# Altium PCB cheriot-test.PcbDoc (part 1 of 10) (continued)
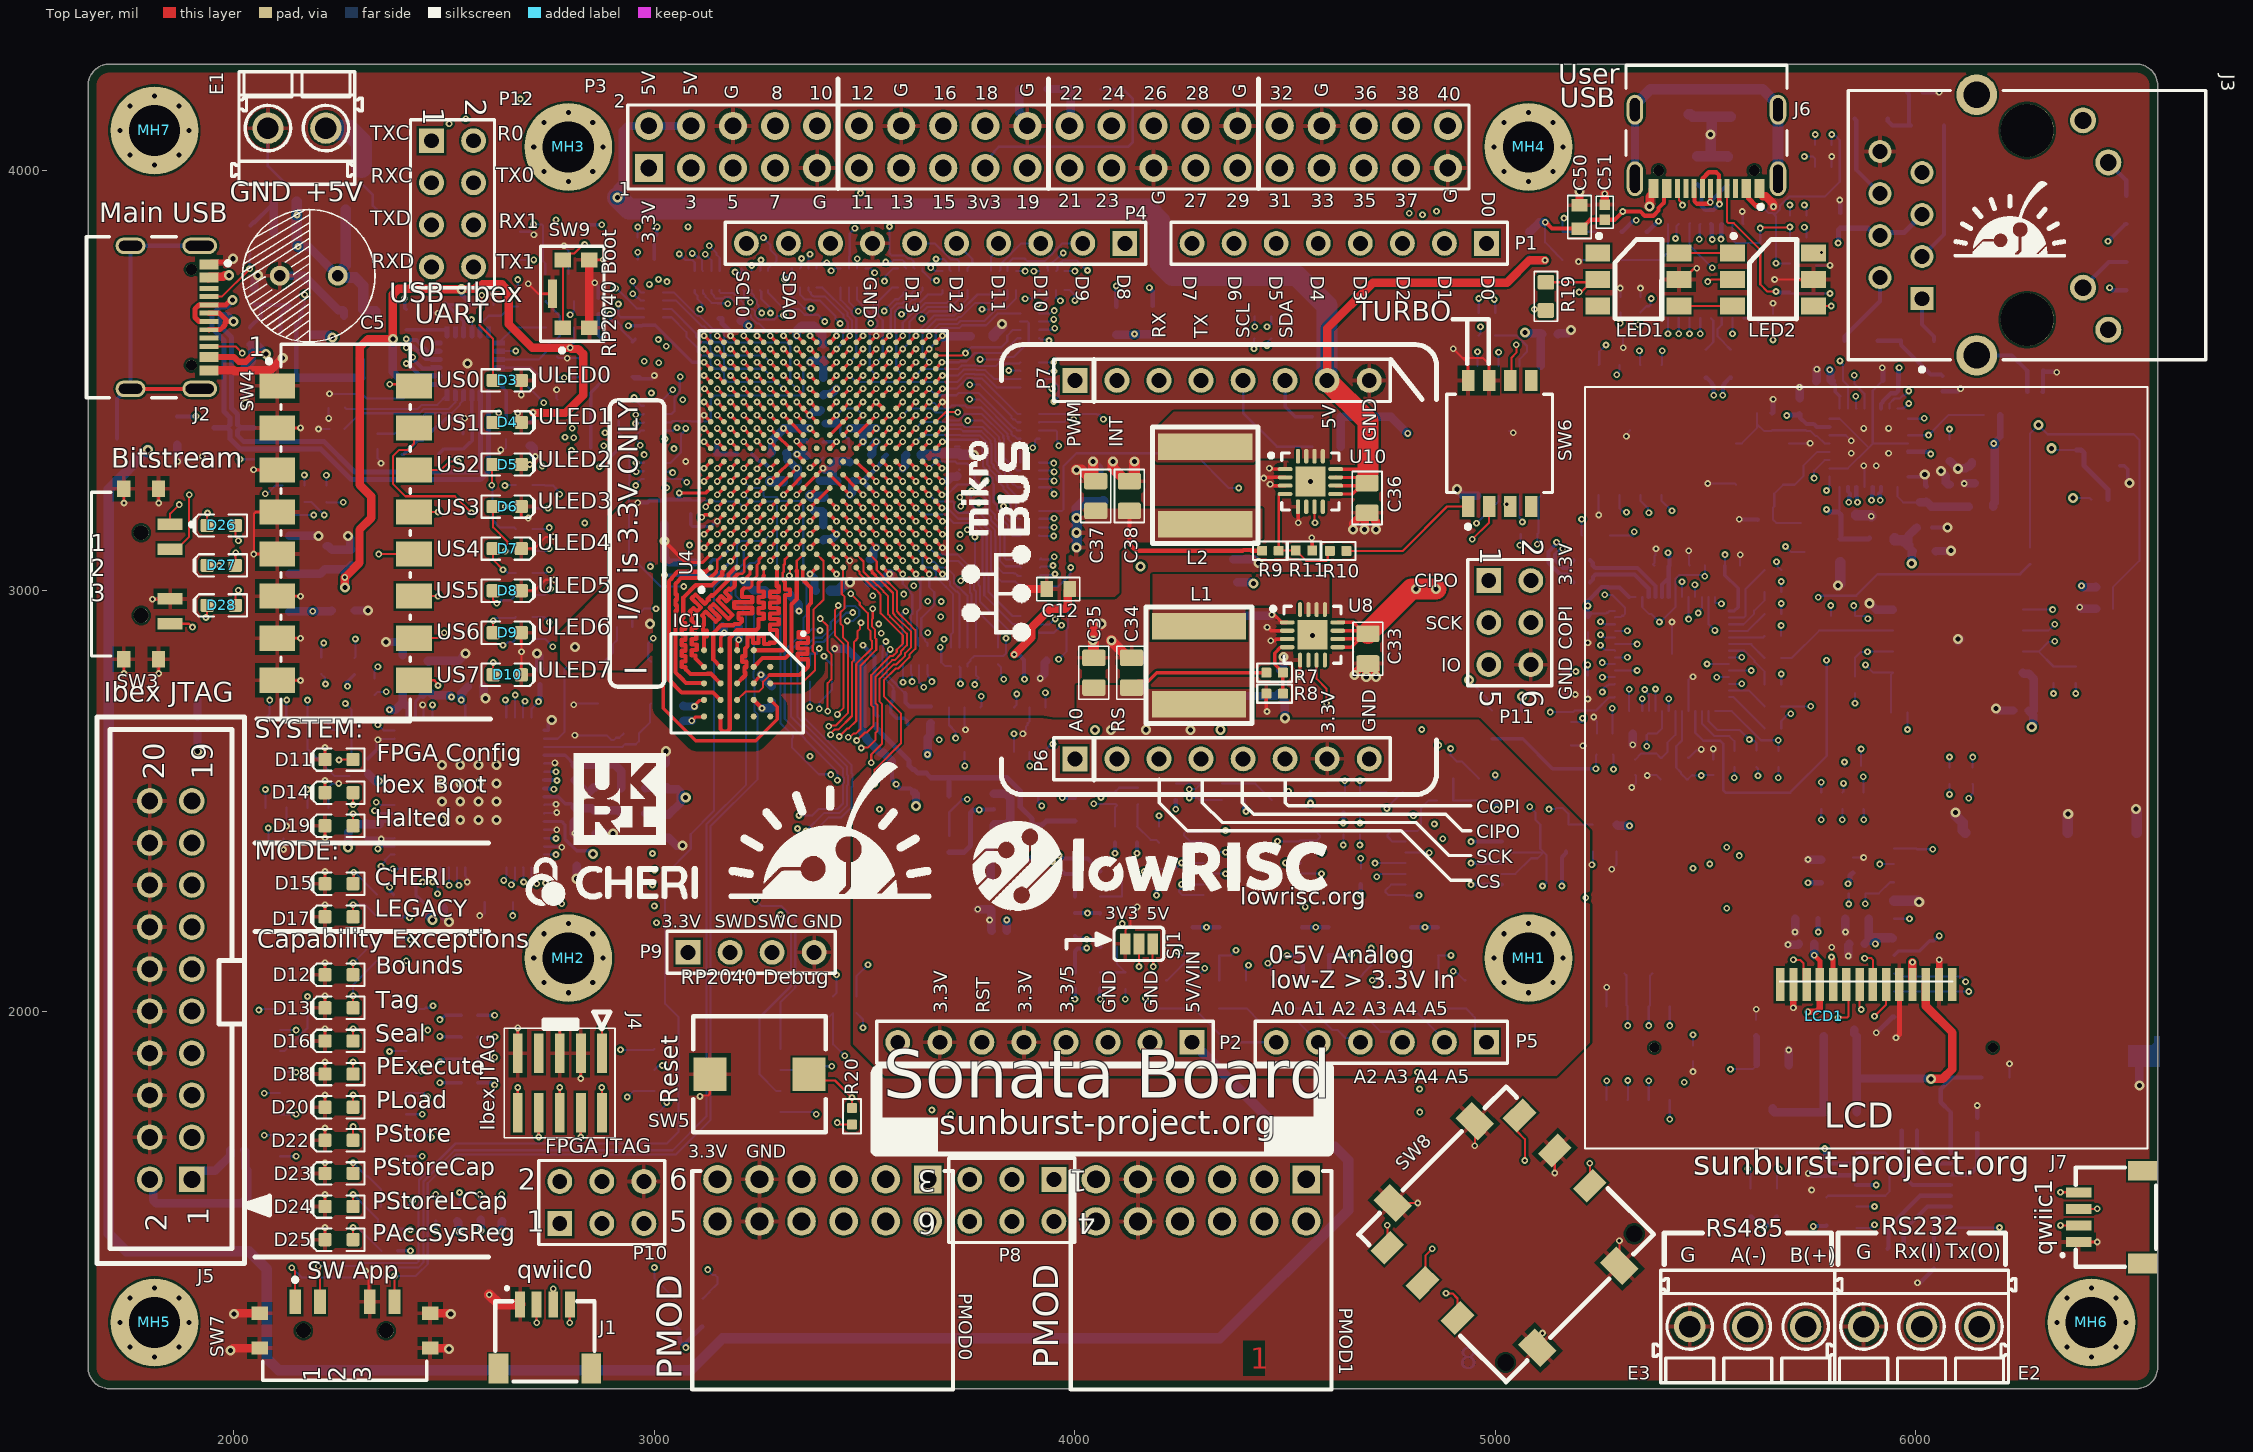
[diagram p0: Top Layer view]
## Classes and differential pairs
net class Power: 3V3_FTDI PWRIN_5V USB_VBUS VCC1V8 VCCINT VCCUSB3V3
net class HYPER_1_Length: HYPERRAM_DQ0 HYPERRAM_DQ1 HYPERRAM_DQ2 HYPERRAM_DQ3 HYPERRAM_DQ4 HYPERRAM_DQ5 HYPERRAM_DQ6 HYPERRAM_DQ7 HYPERRAM_RWDS
differential pair class ETHERNET: ETHMAC_RX ETHMAC_TX
differential pair class USB_DIFF_PAIR: FTDI RP RP2040 USB
component class sb-sonata-fpgaio2: R125 R126 R127 R128 R172 R173 R174 R176 R186 R187 R194
component class sb-sonata-analoginput: C97 C98 C99 C100 C101 C102 C103 C104 C105 C106 C107 L7 R75 R76 R77 R78 R79 R80 R81 R82 R83 R84 R85 R86 R87 R88 R89 R90 R91 R92 R93 R94 R95 R96 R97 R98 R99 R100 R101 R102 R103 R104 R105 R106 R107 R108 R109 R110 R111 R112 R113 R114 R115 R116 R117 U20 U21
differential pair class HR_1: HYPERRAM_CK
differential pair class DIFF90: FTDI USBC_3_D USBC_F_D USRUSB_V
differential pair class ANALOG: XADC_VREF
net class HYPER_200mil_Length: HYPERRAM_CK_N HYPERRAM_CK_P HYPERRAM_DQ0 HYPERRAM_DQ1 HYPERRAM_DQ2 HYPERRAM_DQ3 HYPERRAM_DQ4 HYPERRAM_DQ5 HYPERRAM_DQ6 HYPERRAM_DQ7 HYPERRAM_RWDS
net class HYPER_1_Clks: HYPERRAM_CK_N HYPERRAM_CK_P
component class sb-sonata-fpganaalog: C56 C57 C58 C59 C60 C140 L3 R37 R38 R195 U14 U15 U22 U23
component class sb-sonata-lcd: C112 C113 C114 C115 LCD1 Q2 R130 R131 R132 R133
component class sb-sonata-fpga: C141 P10 R5 R6 R118 R119 R120 R121 R122 R123 R134 SW1 Y2
component class sb-sonata-usbhub: C42 C43 C44 C45 C46 C47 C48 C94 C95 C96 R12 R13 R14 R16 R17 R18 R72 R73 R74 R203 U12 X1
component class sb-sonata-hyperram: C66 C67 C68 IC1
component class sb-sonata-mech: MH1 MH2 MH3 MH4 MH5 MH6 MH7
component class sb-sonata-usbphy: C50 C51 C52 C53 C54 C55 J6 R22 R23 R24 R25 R26 R27 R28 R29 R30 R31 R32 R33 R34 R35 R36 R41 U13
component class sb-sonata-usbrp: C81 C82 C83 C84 C85 C86 C87 C88 C89 C90 C91 C92 C93 D26 D27 D28 P9 R53 R54 R55 R56 R57 R58 R59 R60 R61 R62 R63 R64 R65 R66 R67 R68 R69 R70 R71 R200 R201 R202 SW3 SW9 U11 U18 U19 X2
component class sb-sonata-psu: C30 C31 C32 C33 C34 C35 C36 C37 C38 C39 C40 C41 L1 L2 R7 R8 R9 R10 R11 R15 SW6 U2 U8 U9 U10
component class sb-sonata-fpgapwr: C6 C7 C8 C9 C10 C11 C12 C13 C14 C15 C16 C17 C18 C19 C20 C21 C22 C23 C24 C25 C26 C27 C28 C29 C110 C111 C139
component class sb-sonata-fpgaio1: C80 R45 R46 R47 R48 R49 R50 R51 R52 R168 R169 R170 R171 R175 R177 R178 R179 R180 R181 R182 R183 R184 R185 R188 R189 R190 R191 R212 R213 U4 U17
component class sb-sonata-ethmac: C108 C109 C123 C124 C125 C126 C127 C128 C129 C130 C131 C132 C133 L8 L9 R124 R167 R211 U6 Y3
component class sb-sonata-microsd: C121 C122 R160 R161 R162 R163 R164 R165 R166 SD1
component class sb-sonata-led: D3 D4 D5 D6 D7 D8 D9 D10 D11 D12 D13 D14 D15 D16 D17 D18 D19 D20 D22 D23 D24 D25 LED1 LED2 Q3 R19 R20 R138 R139 R140 R141 R142 R143 R144 R145 R146 R147 R148 R149 R150 R151 R152 R153 R154 R155 R156 R157 R158 R159 R192 R193 R205 R210 SW4 SW5 SW7 SW8
component class sb-sonata-debug: C69 C70 C71 C72 C73 C74 C75 C76 C77 C78 C79 C117 C134 C135 C136 C137 C138 J4 J5 L5 L6 R42 R43 R44 R199 SJ2 SW2 U5 U16 Y1
component class sb-sonata-industriaal: C49 C61 C62 C63 C64 C65 C118 C119 C120 C142 E2 E3 J3 R21 R39 R40 R135 R136 R137 R196 R197 R198 R204 U3 U7
component class sb-sonata-usb: C1 C2 C3 C4 C5 C116 E1 J2 Q1 Q4 Q5 R1 R2 R3 R4 R129 U1
component class sb-sonata-headers1: J1 J7 P1 P2 P3 P4 P5 P6 P7 P8 P11 P12 PMOD0 PMOD1 R206 R207 R208 R209 SJ1
differential pair USRUSB_V: +USRUSB_V_P -USRUSB_V_N
differential pair USBC_F_D: +USBC_F_D_P -USBC_F_D_N
differential pair RP: +RP_P -RP_N
differential pair ETHMAC_TX: +ETHMAC_TX_P -ETHMAC_TX_N
differential pair ETHMAC_RX: +ETHMAC_RX_P -ETHMAC_RX_N
differential pair USB: +USB_P -USB_N
differential pair RP2040: +RP2040_P -RP2040_N
differential pair ANALOG5: +ANALOG5_P -ANALOG5_N
differential pair ANALOG4: +ANALOG4_P -ANALOG4_N
differential pair ANALOG3: +ANALOG3_P -ANALOG3_N
differential pair ANALOG2: +ANALOG2_P -ANALOG2_N
differential pair ANALOG1: +ANALOG1_P -ANALOG1_N
differential pair ANALOG0: +ANALOG0_P -ANALOG0_N
differential pair FTDI: +FTDI_P -FTDI_N
differential pair XADC_VREF: +XADC_VREF_P -XADC_VREF_N
differential pair USBC_3_D: +USBC_3_D_P -USBC_3_D_N
differential pair HYPERRAM_CK: +HYPERRAM_CK_P -HYPERRAM_CK_N

## Components (designator, comment, footprint, x,y, rotation, side; value= is the part's Value field where it differs from the comment)
C1 "2u2" CAPC0603_M 2026.31,3505 r270 bottom
C2 "2u2" CAPC0603_M 2125,3850 r180 bottom
C3 "2u2" CAPC0603_M 2122.44,3925 r180 bottom
C4 "100n" CAPC0402_M 2150,3678.27 r180 bottom
C5 "680uF" Cap_16v_680uF 2247,3749 r180 top
C6 "100n" CAPC0402_M 3322.83,3259.84 r0 bottom
C7 "100n" CAPC0402_M 3295.28,3326.77 r0 bottom
C8 "100n" CAPC0402_M 3453.2,3260.61 r180 bottom
C9 "100n" CAPC0402_M 3533.47,3322.83 r180 bottom
C10 "100n" CAPC0402_M 3393.55,3243.94 r90 bottom
C11 "2u2" CAPC0603_M 3905,2832.93 r0 bottom
C12 "2u2" CAPC0603_M 3960.63,3003.94 r180 top
C13 "2u2" CAPC0603_M 4066.93,3240.16 r90 bottom
C14 "100n" CAPC0402_M 3401.57,3000 r0 bottom
C15 "100n" CAPC0402_M 3114.17,3066.93 r180 bottom
C16 "100n" CAPC0402_M 3464.57,3322.83 r270 bottom
C17 "100n" CAPC0402_M 3401.57,3414.69 r90 bottom
C18 "100n" CAPC0402_M 3086.61,3201.1 r270 bottom
C19 "2u2" CAPC0603_M 3294.96,2992.13 r180 bottom
C20 "2u2" CAPC0603_M 3023.62,3186.93 r270 bottom
C21 "100n" CAPC0402_M 3006.85,3077.13 r0 bottom
C22 "100n" CAPC0402_M 3214.11,3325.05 r0 bottom
C23 "100n" CAPC0402_M 3401.57,3492.13 r90 bottom
C24 "100n" CAPC0402_M 3172.92,3649.09 r180 bottom
C25 "100n" CAPC0402_M 3401.57,3137.8 r90 bottom
C26 "100n" CAPC0402_M 3617.42,3322.83 r0 bottom
C27 "100n" CAPC0402_M 3401.57,3570.87 r270 bottom
C28 "2u2" CAPC0603_M 3728.35,3303.15 r90 bottom
C29 "2u2" CAPC0603_M 3506.81,3044.45 r270 bottom
C30 "2u2" CAPC0603_M 4488.19,2783.46 r90 bottom
C31 "100n" CAPC0402_M 4358.27,3074.8 r0 bottom
C32 "2u2" CAPC0603_M 4358.27,3019.68 r0 bottom
C33 "22uF" CAPC0805_M 4696.85,2862.2 r270 top
C34 "22uF" CAPC0805_M 4135,2805 r90 top
C35 "22uF" CAPC0805_M 4045,2805 r90 top
C36 "22uF" CAPC0805_M 4695,3220.43 r270 top
C37 "22uF" CAPC0805_M 4049.57,3225 r90 top
C38 "22uF" CAPC0805_M 4129.57,3225 r90 top
C39 "2u2" CAPC0603_M 2259.84,2952.76 r0 bottom
C40 "100n" CAPC0402_M 2279.53,3078.74 r90 bottom
C41 "2u2" CAPC0603_M 2220.47,3078.74 r90 bottom
C42 "1u" CAPC0603_M 2704,3372 r270 bottom
C43 "100n" CAPC0402_M 2647.51,3378.48 r270 bottom
C44 "100n" CAPC0402_M 2405,3475 r270 bottom
C45 "1u" CAPC0603_M 2590,3680 r0 bottom
C46 "100n" CAPC0402_M 2484.13,3685 r180 bottom
C47 "1u" CAPC0603_M 2768.11,3752.68 r0 bottom
C48 "100n" CAPC0402_M 2245,3384.37 r180 bottom
C49 "100n" CAPC0402_M 5952.76,1437.01 r0 bottom
C50 "2u2" CAPC0603_M 5200,3888.64 r90 top
C51 "100n" CAPC0402_M 5260,3900 r90 top
C52 "100n" CAPC0603_M 5460,4160 r270 bottom
C53 "100n" CAPC0402_M 5660,3640 r90 bottom
C54 "100n" CAPC0402_M 5345.08,3680 r90 bottom
C55 "100n" CAPC0402_M 5297.14,3680 r90 bottom
C56 "100n" CAPC0402_M 3820,2191.26 r0 bottom
C57 "1u" CAPC0603_M 3820,2357.75 r0 bottom
C58 "2u2" CAPC0603_M 4000,2480 r90 bottom
C59 "470n" CAPC0603_M 3618.11,2547.24 r270 bottom
C60 "100n" CAPC0402_M 3580,2733.26 r0 bottom
C61 "100n" CAPC0402_M 5984.25,1716.54 r0 bottom
C62 "100n" CAPC0402_M 6043.31,1405.51 r270 bottom
C63 "100n" CAPC0402_M 6145.67,1728.35 r270 bottom
C64 "100n" CAPC0402_M 5787.4,1625.98 r90 bottom
C65 "100n" CAPC0402_M 5470,1900 r270 bottom
C66 "100n" CAPC0402_M 3279.53,2754.33 r90 bottom
C67 "100n" CAPC0402_M 3180,2915 r0 bottom
C68 "100n" CAPC0402_M 3068.23,2707.78 r270 bottom
C69 "2u2" CAPC0603_M 3030,2440 r270 bottom
C70 "2u2" CAPC0603_M 2860,2450 r270 bottom
C71 "100n" CAPC0402_M 2811.02,2466.93 r270 bottom
C72 "2u2" CAPC0603_M 3030,2560 r90 bottom
C73 "2u2" CAPC0603_M 2860,2560 r270 bottom
C74 "100n" CAPC0402_M 2811.02,2566.93 r270 bottom
C75 "100n" CAPC0402_M 2460.63,2814.96 r90 bottom
C76 "2u2" CAPC0603_M 2401.57,2818.9 r90 bottom
C77 "18p" CAPC0402_M 2929.13,2913.39 r0 bottom
C78 "18p" CAPC0402_M 2944.88,2660.25 r180 bottom
C79 "100n" CAPC0402_M 2100,2410 r0 bottom
C80 "100n" CAPC0402_M 6250,2715 r180 bottom
C81 "1u" CAPC0603_M 5180,2660 r270 bottom
C82 "1u" CAPC0603_M 5160,2780 r270 bottom
C83 "100n" CAPC0402_M 5321.89,3606.84 r180 bottom
C84 "100n" CAPC0402_M 5480,3060 r180 bottom
C85 "100n" CAPC0402_M 5345,2660 r180 bottom
C86 "100n" CAPC0402_M 5220,2920 r270 bottom
C87 "100n" CAPC0402_M 5260,2660 r180 bottom
C88 "100n" CAPC0402_M 5563.95,3060 r0 bottom
C89 "100n" CAPC0402_M 5220,2780 r270 bottom
C90 "100n" CAPC0402_M 5395.96,3060 r180 bottom
C91 "100n" CAPC0402_M 5130,3610 r0 bottom
C92 "18p" CAPC0402_M 5518.06,2580 r90 bottom
C93 "18p" CAPC0402_M 5332.17,2580 r270 bottom
C94 "100n" CAPC0402_M 2750,3556.75 r0 bottom
C95 "18p" CAPC0402_M 2341.71,3355 r270 bottom
C96 "18p" CAPC0402_M 2545,3355 r90 bottom
C97 "100n" CAPC0402_M 4194.19,2319.68 r270 bottom
C98 "24p" CAPC0402_M 4000,2160.61 r270 bottom
C99 "100n" CAPC0402_M 4680,2320 r270 bottom
C100 "2u2" CAPC0603_M 5260,2379.9 r0 bottom
C101 "2u2" CAPC0603_M 5140.33,2379.9 r0 bottom
C102 "100n" CAPC0402_M 5140,2323.41 r0 bottom
C103 "24p" CAPC0402_M 4000,2344.66 r270 bottom
C104 "24p" CAPC0402_M 4100,2507.82 r270 bottom
C105 "24p" CAPC0402_M 4660,2522.45 r180 bottom
C106 "24p" CAPC0402_M 4297.55,2520 r90 bottom
C107 "24p" CAPC0402_M 4880,2603.83 r0 bottom
C108 "18p" CAPC0402_M 5641.89,3168.87 r180 bottom
C109 "18p" CAPC0402_M 5640,3422 r0 bottom
C110 "2u2" CAPC0603_M 3117.95,3326.13 r180 bottom
C111 "2u2" CAPC0603_M 3780,3605 r0 bottom
C112 "100n" CAPC0402_M 5740,2160 r180 bottom
C113 "2u2" CAPC0603_M 5740,2220 r180 bottom
C114 "100n" CAPC0402_M 5860,2160 r180 bottom
C115 "2u2" CAPC0603_M 5860,2220 r180 bottom
C116 "100n" CAPC0402_M 1740.16,3362.2 r0 bottom
C117 "100n" CAPC0402_M 2728.35,2795.28 r90 bottom
C118 "100n" CAPC0402_M 6283.46,3472.44 r0 bottom
C119 "100n" CAPC0402_M 5997.64,4185.04 r180 bottom
C120 "100n" CAPC0402_M 5820,3880 r90 bottom
C121 "2u2" CAPC0603_M 5775,2332.98 r90 bottom
C122 "100n" CAPC0402_M 5850,2347.15 r90 bottom
C123 "2u2" CAPC0603_M 6160,3305 r180 bottom
C124 "2u2" CAPC0603_M 6080,3225 r90 bottom
C125 "2u2" CAPC0603_M 6020,3093.54 r0 bottom
C126 "2u2" CAPC0603_M 5820,3095 r270 bottom
C127 "100n" CAPC0402_M 6158.11,3255 r180 bottom
C128 "100n" CAPC0402_M 6025,3230 r90 bottom
C129 "100n" CAPC0402_M 6020,3150.03 r0 bottom
C130 "100n" CAPC0402_M 5840,3180 r0 bottom
C131 "100n" CAPC0402_M 5940,3500 r180 bottom
C132 "100n" CAPC0402_M 5723.33,3439.92 r90 bottom
C133 "100n" CAPC0402_M 5781.44,3498.39 r180 bottom
C134 "100n" CAPC0402_M 2814.96,2363.78 r270 bottom
C135 "100n" CAPC0402_M 2314.96,2429.13 r270 bottom
C136 "100n" CAPC0402_M 2318.9,2582.68 r90 bottom
C137 "100n" CAPC0402_M 2478.74,2248.03 r0 bottom
C138 "100n" CAPC0402_M 2574.8,2771.65 r0 bottom
C139 "100n" CAPC0402_M 3362.2,3338.58 r270 bottom
C140 "100n" CAPC0402_M 3401.57,3338.58 r270 bottom
C141 "100n" CAPC0402_M 2866.14,3677.17 r90 bottom
C142 "100n" CAPC0402_M 6062.99,3492.13 r90 bottom
D3 "LED, 0603, Blue" LED-0603-BLUE 2650,3500 r0 top
D4 "LED, 0603, Green" LED-0603-GREEN 2650,3400 r0 top
D5 "LED, 0603, Red" LED-0603-RED 2650,3300 r0 top
D6 "LED, 0603, Blue" LED-0603-BLUE 2650,3200 r0 top
D7 "LED, 0603, Green" LED-0603-GREEN 2650,3100 r0 top
D8 "LED, 0603, Red" LED-0603-RED 2650,3000 r0 top
D9 "LED, 0603, Green" LED-0603-GREEN 2650,2900 r0 top
D10 "LED, 0603, Red" LED-0603-RED 2650,2800 r0 top
D11 "LED, 0603, Green" LED-0603-GREEN 2250,2598.43 r180 top
D12 "LED, 0603, Red" LED-0603-RED 2250,2086.61 r180 top
D13 "LED, 0603, Red" LED-0603-RED 2250,2007.87 r180 top
D14 "LED, 0603, Green" LED-0603-GREEN 2250,2519.68 r180 top
D15 "LED, 0603, Green" LED-0603-GREEN 2250,2303.15 r180 top
D16 "LED, 0603, Red" LED-0603-RED 2250,1929.13 r180 top
D17 "LED, 0603, Red" LED-0603-RED 2250,2224.41 r180 top
D18 "LED, 0603, Red" LED-0603-RED 2250,1850.39 r180 top
D19 "LED, 0603, Red" LED-0603-RED 2250,2440.94 r180 top
D20 "LED, 0603, Red" LED-0603-RED 2250,1771.65 r180 top
D22 "LED, 0603, Red" LED-0603-RED 2250,1692.91 r180 top
D23 "LED, 0603, Red" LED-0603-RED 2250,1614.17 r180 top
D24 "LED, 0603, Red" LED-0603-RED 2250,1535.43 r180 top
D25 "LED, 0603, Red" LED-0603-RED 2250,1456.69 r180 top
D26 "LED, 0603, Green" LED-0603-GREEN 1970,3155 r180 top
D27 "LED, 0603, Green" LED-0603-GREEN 1970,3060 r180 top
D28 "LED, 0603, Green" LED-0603-GREEN 1970,2965 r180 top
E1 "1912320000" PS_3_5_90_02 2150,4100 r180 top
E2 "1912330000" PS_3_5_90_03 6013.39,1250 r0 top
E3 "1912330000" PS_3_5_90_03 5600,1250 r0 top
IC1 "W956D8MBYA5I" BGA24C100P5X5_600X800X120 3196.85,2779.53 r270 top locked
J1 "SM04B-SRSS-TB_LF__SN_" SM04B-SRSS-TB(LFSN) 2621.65,1119.06 r0 top
J2 "USB4105-GF-A" FP-USB4105-GF-A-MFG 1800,3650 r270 top
J3 "J00-0045NL" FP-J00-0045NL-MFG 6264.37,3869.49 r270 top
J4 "10 Pin Cortex Program & Debug" 0.5mm_SMD_Header_5x2 2875,1900 r270 top
J5 "PN" CONN_10x2_SHROUDED_2.54mm 1900,1600 r90 top locked
J6 "USB4105-GF-A" FP-USB4105-GF-A-MFG 5501.97,4098.03 r180 top
J7 "SM04B-SRSS-TB_LF__SN_" SM04B-SRSS-TB(LFSN) 6570.94,1392.13 r90 top
L1 "4.7uH" NR6028 4295,2822.35 r270 top
L2 "4.7uH" NR6028 4310,3250 r270 top
L3 "600-Ohm/0.5A" IND_0603 3800,2271.26 r90 bottom value=600R/0.5A
L5 "1k @ 1Mhz" IND_0603 2950,2470 r180 bottom
L6 "1k @ 1Mhz" IND_0603 2950,2530 r180 bottom
L7 "1k @ 1Mhz" IND_0603 5260,2443.95 r180 bottom
L8 "1k @ 1Mhz" IND_0603 6155,3200 r180 bottom
L9 "1k @ 1Mhz" IND_0603 5921.26,3125 r180 bottom
LCD1 "1.8\" LCD, Solder on Connector" ADAFRUIT618 5212.6,1673.23 r90 bottom locked
LED1 "WS2813B, 5x5" WS2813B_5x5 5340,3740 r0 top
LED2 "WS2813B, 5x5" WS2813B_5x5 5660,3740 r0 top
MH1 "M3, Tight Fit" MOUNT_M3_TIGHT 5078.74,2125.98 r0 top locked
MH2 "M3, Tight Fit" MOUNT_M3_TIGHT 2795.28,2125.98 r0 top locked
MH3 "M3, Tight Fit" MOUNT_M3_TIGHT 2795.28,4055.12 r0 top locked
MH4 "M3, Tight Fit" MOUNT_M3_TIGHT 5078.74,4055.12 r0 top locked
MH5 "M3, Tight Fit" MOUNT_M3_TIGHT 1811.02,1259.84 r0 top
MH6 "M3, Tight Fit" MOUNT_M3_TIGHT 6417.32,1259.84 r0 top
MH7 "M3, Tight Fit" MOUNT_M3_TIGHT 1811.02,4094.49 r0 top
P1 "Header 8" HDR1X8_SLW-108-01-T-S 4978.74,3825.98 r180 top locked
P2 "Header 8" HDR1X8_SLW-108-01-T-S 4278.74,1925.98 r180 top locked
P3 "Header 20X2" HDR2X20_861400402YO2LF 2987.01,4005.12 r0 top locked
P4 "Header 10" HDR1X10_SLW-110-01-T-S 4118.74,3825.98 r180 top locked
P5 "Header 6" HDR1X6_SLW-106-01-T-S 4978.74,1925.98 r180 top locked
P6 "Header 8" HDR1X8_SLW-108-01-T-S 4000,2600 r0 top locked
P7 "Header 8" HDR1X8_SLW-108-01-T-S 4000,3500 r0 top locked
P8 "Header 3X2A" HDR2X3_CEN 3950,1600 r180 top locked
P9 "Header 4" HDR1X4 3080,2140 r0 top
P10 "Header 3X2" HDR2X3 2775,1495 r0 top
P11 "Header 3X2" HDR2X3_XG8T-0641 4984.25,3024.02 r270 top locked
P12 "Header 4X2" HDR2X4_XG8T-0841 2470,4070 r270 top
PMOD0 "PMOD, 12-pin, RA, Through-Hole" SAMTEC_SSW_106_02_X_D_RA_PMOD 3650,1600 r270 top locked
PMOD1 "PMOD, 12-pin, RA, Through-Hole" SAMTEC_SSW_106_02_X_D_RA_PMOD 4550,1600 r270 top locked
Q1 "DMP2123LQ-7" SOT95P245X110-3M 2148.52,3557.8 r270 bottom
Q2 "DMN3200U-7" SOT95P245X110-3M 5660,1820 r270 bottom
Q3 "BSS138" SOT95P245X110-3M 6433.07,3334.65 r180 bottom
Q4 "DMP2123LQ-7" SOT95P245X110-3M 2303.15,3956.69 r90 bottom
Q5 "DMP2123LQ-7" SOT95P245X110-3M 2299.21,3602.36 r270 bottom
R1 "5k1" RESC1608X55N#1 2039.37,3834.65 r90 bottom
R2 "100k" RESC1005X40N#1 2038.67,3606.98 r90 bottom
R3 "10k" RESC1005X40N#1 2047.24,3700.79 r90 bottom
R4 "5k1" RESC1608X55N#1 1865,3380 r270 bottom
R5 "1k" RESC1608X55N#1 5062.99,2681.1 r90 bottom
R6 "1k" RESC1608X55N#1 2800,3870 r0 bottom
R7 "10k" RESC1005X40N#2 4475,2805 r0 top
R8 "2k2" RESC1005X40N#2 4475,2755 r180 top
R9 "10k" RESC1005X40N#2 4465,3095 r0 top
R10 "100k" RESC1005X40N#2 4625.98,3094.49 r0 top
R11 "15k" RESC1005X40N#2 4544.82,3095.54 r0 top
R12 "100k" RESC1005X40N#1 2750,3506.61 r0 bottom
R13 "100k" RESC1005X40N#1 2822,3531.13 r90 bottom
R14 "10k" RESC1005X40N#1 2750,3454.3 r0 bottom
R15 "100k" RESC1608X55N#1 5239.29,3131.5 r180 bottom
R16 "12k" RESC1005X40N#1 2245,3434.51 r180 bottom
R17 "100k" RESC1608X55N#1 2680.44,3820 r270 bottom
R18 "100k" RESC1608X55N#1 2775.13,3625.56 r180 bottom
R19 "0R" RESC1608X55N#2 5120,3700 r270 top
R20 "10k" RESC1005X40N#2 3470,1750 r90 top
R21 "1k" RESC1608X55N#1 5787.4,1523.62 r270 bottom
R22 "DNM RCHIP" RESC1608X55N#1 5700,3745 r270 bottom
R23 "47k" RESC1005X40N#1 5780,4060 r180 bottom
R24 "DNM RCHIP" RESC1608X55N#1 5763.07,3740 r90 bottom
R25 "22k" RESC1005X40N#1 5780,4007.68 r0 bottom
R26 "DNM RCHIP" RESC1608X55N#1 5160,3820 r90 bottom
R27 "33R" RESC1608X55N#1 5500,3540 r90 bottom
R28 "DNM RCHIP" RESC1608X55N#1 5240,3820 r270 bottom
R29 "33R" RESC1608X55N#1 5560,3540 r90 bottom
R30 "10k" RESC1005X40N#1 5720,3892.32 r0 bottom
R31 "1k5" RESC1608X55N#1 5300,3820 r270 bottom
R32 "10k" RESC1005X40N#1 5720,3840 r0 bottom
R33 "10R" RESC1608X55N#1 5560,4160 r270 bottom
R34 "DNM RCHIP" RESC1608X55N#1 5360,3820 r270 bottom
R35 "DNM RCHIP" RESC1608X55N#1 5480,4000 r270 bottom
R36 "DNM RCHIP" RESC1608X55N#1 5552.82,3998.19 r270 bottom
R37 "2k7" RESC1005X40N#1 3700.79,2492.13 r270 bottom
R38 "1k" RESC1005X40N#1 3700.79,2397.64 r270 bottom
R39 "1k" RESC1608X55N#1 6188.98,1842.52 r0 bottom
R40 "120R" RESC1608X55N#1 5340,2090 r180 bottom
R41 "DNM RCHIP" RESC1608X55N#1 5080,3820 r270 bottom
R42 "1k" RESC1005X40N#1 2760,2280 r0 bottom
R43 "12k" RESC1608X55N#1 2630,2260 r180 bottom
R44 "2k2" RESC1005X40N#1 2274.84,2579.15 r90 bottom
R45 "10k" RESC1005X40N#1 6327.22,2800 r90 bottom
R46 "10k" RESC1005X40N#1 5797.78,2920.33 r270 bottom
R47 "22R" RESC1005X40N#1 3422.28,2803.39 r270 bottom
R48 "22R" RESC1005X40N#1 5855.06,2776.63 r90 bottom
R49 "22R" RESC1005X40N#1 5855,2920 r270 bottom
R50 "22R" RESC1005X40N#1 5960,2710.1 r0 bottom
R51 "22R" RESC1005X40N#1 6380,2800 r90 bottom
R52 "22R" RESC1005X40N#1 3369.96,2803.08 r90 bottom
R53 "1k" RESC1005X40N#1 2980,3840 r180 bottom
R54 "10k" RESC1005X40N#1 2980,3787.68 r0 bottom
R55 "22R" RESC1005X40N#1 5660,3049.27 r180 bottom
R56 "27R" RESC1005X40N#1 5205,3072.32 r0 bottom
R57 "22R" RESC1005X40N#1 5660,2996.95 r180 bottom
R58 "27R" RESC1005X40N#1 5205.31,3020 r0 bottom
R59 "22R" RESC1005X40N#1 5660,2944.63 r180 bottom
R60 "22R" RESC1005X40N#1 5659.69,2892.32 r180 bottom
R61 "22R" RESC1005X40N#1 5659.69,2840 r180 bottom